# Altium PCB PCB_Project_Final.PcbDoc (continued)
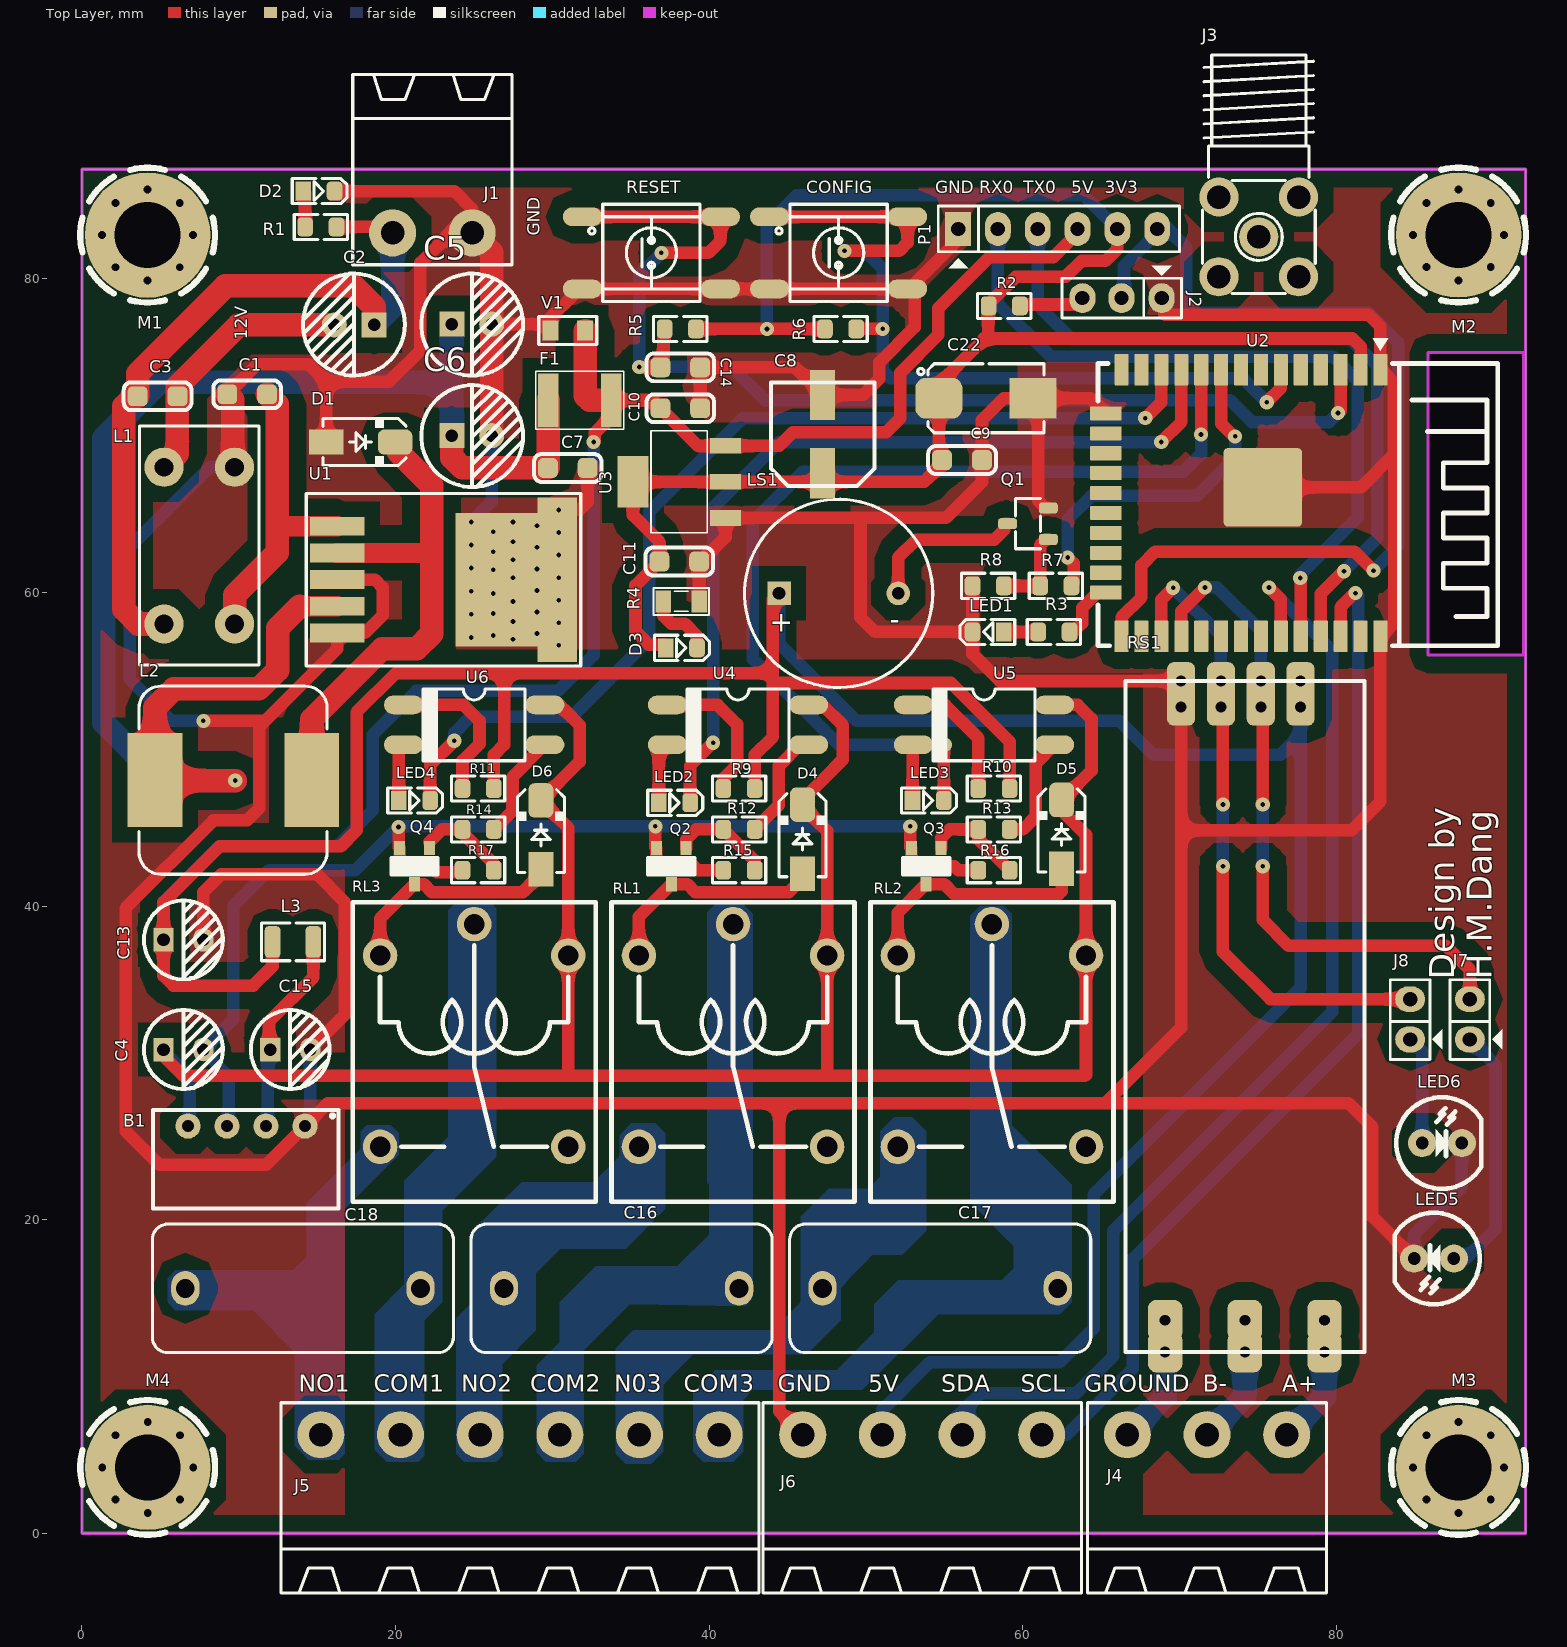
[diagram p0: Top Layer view]
## Footprints (in the part's own frame and the unit in brackets; to place one, negate y for a bottom-side part, rotate by r counter-clockwise, add the part's x,y. Pads: shape width x height; smd on the part's side, far side on the other; paste and mask are expansions set on the pad) (continued)
  rect 39.37x55 smd: 1(-45,0) 2(45,0)
  silkscreen extent -70,-34 70,33, body extent -39,-25 39,25, height 31
RL_10A_5V [mm] "Relay SRD-05VDC-SL-C, 5 pin, 10A,19.1X15.5"
  round 2.2 hole 1.3 mask+0.1: 1(-7.1,0) 2(7.1,6) 3(7.1,-6) 4(-5.1,-6) 5(-5.1,6)
  silkscreen extent -8.5,-7.75 10.6,7.75, body extent -8.39,-7.61 10.71,7.89, height 15.6
"RS485 - Version2" [mm]
  rrect50% 2.4x1.8 hole 0.7: 1(22.098,12.446) 1(23.749,12.446) 2(22.098,14.986) 2(23.749,14.986) 3(22.098,17.526) 3(23.749,17.526) 4(22.098,20.066) 4(23.749,20.066)
  rrect50% 2.6x2.2 hole 0.7: 5(62.865,21.59) 5(64.897,21.59) 6(62.865,16.51) 6(64.897,16.51) 7(62.865,11.43) 7(64.897,11.43)
  silkscreen extent 22.1,8.89 64.9,24.13, body extent 21.46,9.4 65.46,23.4, height 2.5
SCMH_M4 [mm] "SCREW mouting, M4, 4mm diameter and 8.0mm PanHead"
  round 8 / inner round 4.5 / far side round 8 hole 4.2 mask+0.1: 1(0,0)
  Top Layer pour cut-out: 0,4.5 -1.722,4.158 -3.182,3.182 -4.157,1.722 -4.5,0 -4.5,0 -4.157,-1.722 -3.182,-3.181 -1.722,-4.157 0,-4.499 0,-4.499 2.25,-3.896 3.897,-2.249 4.499,0 4.499,0 4.157,1.722 3.182,3.182 1.722,4.157 0,4.5
  Bottom Layer pour cut-out: 0,4.5 -1.722,4.158 -3.182,3.182 -4.157,1.722 -4.5,0 -4.5,0 -4.157,-1.722 -3.182,-3.181 -1.722,-4.157 0,-4.499 0,-4.499 2.25,-3.896 3.897,-2.249 4.499,0 4.499,0 4.157,1.722 3.182,3.182 1.722,4.157 0,4.5
  silkscreen extent -4.3,-4.3 4.3,4.3
SMA_RA [mm] "CONN, RF, COAX, SMA, RIGHT ANGLE THD"
  round 2.5 hole 1.5: 1(0,0) 2(-2.54,-2.54) 3(2.54,-2.54) 4(2.54,2.54) 5(-2.54,2.54)
  silkscreen extent -3.6,-3.6 3.6,11.6, body extent -3.5,-3.54 3.5,11.56, height 10.26
SOT23_3 [mm] "SOT-23, Micro3, MO-178, TO-236AB, MO-193C, SuperSOT3, SC-59, 1.5x3mm, Pitch 1.9mm"
  rrect50% 1.2x0.7 smd mask+0.1: 1(-1.3,1) 2(-1.3,-1) 3(1.3,0)
  silkscreen extent -0.8,-1.6 0.8,1.6, body extent -1.32,-1.5 1.32,1.5, height 1.08
SOT223-4M [mm] "SOT223, 4-Leads, Body 6.5x3.5mm, Pitch 2.3mm, Lead Span 7mm, IPC Low Density"
  rect 1x2 smd: 1(-2.3,-3.2) 2(0,-3.2) 3(2.3,-3.2)
  rect 3.3x2 smd: 4(0,2.7)
  silkscreen extent -3.25,-2.05 3.26,1.55, body extent -3.25,-3.74 3.25,3.22, height 1.67
SWPBS_SPDT_6X6X5 [mm] "SWITCH, PUSHBUTTON, SMD, SPDT, 6X6mm 4PIN"
  oval 2.5x1.2 smd mask+0.1: 1(-4.4,2.3) 2(-4.4,-2.3) 3(4.4,-2.3) 4(4.4,2.3)
  silkscreen extent -4,-3.1 3.1,3.1, body extent -5,-3 5,3, height 5.07
TO263-5 [mm] "LM2576-SMD"
  rect 1.2x3.5 smd: 1(-3.4,0.475) 2(-1.7,0.475) 3(0,0.475) 4(1.7,0.475) 5(3.4,0.475)
  rect 10.5x2.5 smd: 6(0,14.5)
  rect 8.5x6.5 smd: 6(0,11.25)
  silkscreen extent -5.5,-1.5 5.5,16, body extent -5,-0.38 5,15.29, height 4.79
trans_smd [mm] "SOT 23 _ 1-3-2"
  rect 0.7x0.9 smd: 1(-0.95,-1.15) 2(0.95,-1.15) 3(0,1.15)
  silkscreen extent -1.5,-0.55 1.5,0.55, body extent -1.5,-1.28 1.5,1.22, height 1.06
"tu hoa 5mm" [mm]
  rect 1.3x1.5 hole 0.8: 1(-1.27,0)
  oval 1.3x1.5 hole 0.8: 2(1.27,0)
  silkscreen extent -2.51,-2.51 2.51,2.51, body extent -3.12,-3.18 3.23,3.18, height 14.55
"tu hoa 6.5mm" [mm]
  rect 1.6x1.6 hole 0.8: 1(-1.295,0.025)
  round 1.6 hole 0.8: 2(1.245,0.025)
  silkscreen extent -3.25,-3.25 3.25,3.25, body extent -3.15,-3.15 3.2,3.2, height 14.55
"tu nhom 6.3 (d)" [mm]
  rect 3.2x1.6 smd: 1(-2.5,0) 2(2.5,0)
  silkscreen extent -3.3,-3.3 3.3,3.3, body extent -3.8,-3.3 3.8,3.3, height 8

## Part data
C1 C3 C7: library part CAP_SMD_0805, "CAP, MLCC, -F, -V, MATERIAL, -%, 0201", ASSEMBLY=ASSEMBLY, MANF=-, MANF_P#=MANF_PART#, PARAM="-, -%", PARAM2=-V, PRICE="100= 1$"
C2: library part "Tu Hoa 47uF 50V 6x11", "Cắm", Chung_Loai=Cắm, Don_Vi=Con, Ma_Hang=MH001360, So_Chan=2, Ten_Linh_Kien="Tụ Hóa 47uF 50V"
C4: library part "Tu Hoa 100uF 16V 5x7", "Cắm", Chung_Loai=Cắm, Don_Vi=Con, Ma_Hang=MH001347, So_Chan=2, Ten_Linh_Kien="Tụ Hóa 100uF 16V 5x7MM"
C5 C6: library part "Tu Hoa 100uF 35V 6x8", "Cắm", Chung_Loai=Cắm, Don_Vi=Con, Ma_Hang=MH006862, So_Chan=2, Ten_Linh_Kien="Tụ Hóa 100uF 35V"
C8: library part "Tu Nhom 100uF 16V", "Dán", Chung_Loai=Dán, Don_Vi=Con, Ma_Hang=MH002219, So_Chan=2, Ten_Linh_Kien="Tụ Nhôm 100uF 16V 6.3x5.4MM"
C9 C10 C11 C14: library part "Tu 0805 106 16V 10%", "Dán", Chung_Loai=Dán, Don_Vi=Con, Ma_Hang=MH004553, So_Chan=2, Ten_Linh_Kien="Tụ 0805 106-10uF 10% 16V"
C13 C15: library part "Tu Hoa 47uF 35V 5x11", "Cắm", Chung_Loai=Cắm, Don_Vi=Con, Ma_Hang=MH001354, So_Chan=2, Ten_Linh_Kien="Tụ Hóa 47uF 35V 5x11MM"
C16 C17 C18: library part CAP_THD_FILM_POLYESTER, "CAP, FILM,", ASSEMBLY=ASSEMBLY, DESC="CAP, FILM,", MANF=MANF, MANF_P#=MANF_PART#, PARAM2=400V, PRICE="100= 1$"
C22: library part CAP_SMD_TAN_7343, "CAP, SMD, TAN,", PARAM2=-V
CONFIG RESET: library part SWPBS_SPDT_6X6X5, "SWITCH, PUSH BUTTON, TACTILE, SMD, SPDT, 6X6X5mm", ASSEMBLY=ASSEMBLY, DESC=DESCRIPTION, MANF=-, MANF_P#=-, PARAM=PARAM, PRICE=PRICE
D1: library part DIODE_SMD_SCHOTTKY_1N5822, "DIODE, SCHOTTKY, 40V, 3A", ASSEMBLY=ASSEMBLY, DESC=DESCRIPTION, MANF=DIODES, MANF_P#=1N5822, PARAM=40V, PARAM2=3A, PRICE=PRICE
D2: library part LED_SMD_0805, "LED, SMD, 0805", ASSEMBLY=ASSEMBLY, DESC=DESCRIPTION, MANF=MANF, MANF_P#=MANF_PART#, PARAM2=2.2V, PRICE=PRICE
D3: library part LED_SMD_0805_BLU, "LED, SMD, 0805, BLUE", ASSEMBLY=ASSEMBLY, DESC=DESCRIPTION, MANF=MANF, MANF_P#=MANF_PART#, PARAM2=2.2V, PRICE=36t@Javan
D4 D5 D6: library part DIODE_SMD_1N4007, "DIODE, GENERAL PURPOSE, 1000V/1A", ASSEMBLY=ASSEMBLY, DESC=DESCRIPTION, MANF=Kingtronics, MANF_P#=M7, PARAM="1000V VRRM", PARAM2=1A, PRICE=PRICE
F1: library part FUSE_MF-MSMF200-2, "PTC RESET FUSE 8V 2A 1812", Case Code (Imperial)=1812, Case Code (Metric)=4532, Current Rating=40A, Hold Current=2A, Manufacturer=Bourns, Manufacturer Part Number=MF-MSMF200-2, Max Operating Temperature=85°C, Max Power Dissipation=800mW, Min Operating Temperature=-40°C, Operating Supply Voltage=8V, Package Quantity=2000, Resistance=80mR, Supplier Part Number 1=MF-MSMF200-2CT-ND, Trip Current=4A, Aging="1000 hr @ +85 °C (Passive)", Approvals=UL,CSA,TUV, Case/Package=1812, Category=Fuses, ComponentLink1Description=https://datasheet.ciiva.com/326/mfmsmf-326966.pdf?src-supplier=Digi-Key, ComponentLink1URL=https://datasheet.ciiva.com/326/mfmsmf-326966.pdf?src-supplier=Digi-Key, ComponentLink2Description=https://datasheet.ciiva.com/326/mfmsmf-326967.pdf?src-supplier=Digi-Key, ComponentLink2URL=https://datasheet.ciiva.com/326/mfmsmf-326967.pdf?src-supplier=Digi-Key, ComponentLink3Description=https://datasheet.ciiva.com/1274/1786007-1274556.pdf?src-supplier=Element14, ComponentLink3URL=https://datasheet.ciiva.com/1274/1786007-1274556.pdf?src-supplier=Element14, ComponentLink4Description=https://datasheet.ciiva.com/1228/1786007-1228163.pdf?src-supplier=Newark, ComponentLink4URL=https://datasheet.ciiva.com/1228/1786007-1228163.pdf?src-supplier=Newark, ComponentLink5Description=https://datasheet.ciiva.com/3020/mfmsmf-3020419.pdf?src-supplier=Avnet, ComponentLink5URL=https://datasheet.ciiva.com/3020/mfmsmf-3020419.pdf?src-supplier=Avnet, ComponentLink6Description=https://datasheet.ciiva.com/326/mfmsmf-326968.pdf?src-supplier=Digi-Key, ComponentLink6URL=https://datasheet.ciiva.com/326/mfmsmf-326968.pdf?src-supplier=Digi-Key, ComponentLink7Description=https://datasheet.ciiva.com/16692/mfmsmf-16692201.pdf?src-supplier=Avnet+Europe, ComponentLink7URL=https://datasheet.ciiva.com/16692/mfmsmf-16692201.pdf?src-supplier=Avnet+Europe, ComponentLink8Description=https://datasheet.ciiva.com/3019/mfmsmf-3019786.pdf?src-supplier=Avnet, ComponentLink8URL=https://datasheet.ciiva.com/3019/mfmsmf-3019786.pdf?src-supplier=Avnet, ComponentLink9Description=https://datasheet.ciiva.com/28411/1786007-28411578.pdf?src-supplier=Element14, ComponentLink9URL=https://datasheet.ciiva.com/28411/1786007-28411578.pdf?src-supplier=Element14, ComponentLink10Description=https://datasheet.ciiva.com/15187/getdatasheetpartid-117210-15187148.pdf?src-supplier=Verical, ComponentLink10URL=https://datasheet.ciiva.com/15187/getdatasheetpartid-117210-15187148.pdf?src-supplier=Verical, ComponentLink11Description=https://datasheet.ciiva.com/1274/1786007-1274557.pdf?src-supplier=Element14, ComponentLink11URL=https://datasheet.ciiva.com/1274/1786007-1274557.pdf?src-supplier=Element14, ComponentLink12Description=https://datasheet.ciiva.com/30196/575mfmsmf-30196429.pdf?src-supplier=Onlinecomponents.com, ComponentLink12URL=https://datasheet.ciiva.com/30196/575mfmsmf-30196429.pdf?src-supplier=Onlinecomponents.com, Height=0.85mm, Lead Free="Lead Free", Length=4.73mm, Max Current Rating=40A, Mount="PCB,Surface Mount", Number of Pins=2, Number of Terminals/Pins=2, Packaging="Tape and Reel", Power Dissipation=800mW, Pricing 1="1=0.67000, 5=0.65000, 10=0.63000, 50=0.53000, 100=0.44000, 250=0.40000, 500=0.33998, 1000=0.29998 (USD)", Radiation Hardening=No, REACH SVHC="No SVHC", RoHS=Yes, RoHS Compliant=Yes, Series=MF-MSMF, Stock 1=15085, Supplier 1=Digi-Key, Terminal Material=Gold, Termination=SMD/SMT, Time to Trip=3s, Voltage Rating=8V, Voltage Rating (DC)=8V, Width=3.41mm
J1: library part CONN_MSTB_2, "CONN, PHOENIX MSTB, 5-G, 5.08mm pitch"
J2: library part JP3
J3: library part CONN_RF_SMA_RA, "CONN, RF, SMA, Right Angle", ASSEMBLY=ASSEMBLY, DESC=DESCRIPTION, DIST#=DIGIKEY, MANF=Samtec, MANF_P#=SMA-J-P-H-RA-TH1, PARAM="50Ohm, 20GHz", PARAM2=GOLD, PRICE=6.3$
J4: library part CONN_MSTB_3, "CONN, PHOENIX MSTB, 5-G, 5.08mm pitch"
J5: library part CONN_MSTB_6, "CONN, PHOENIX MSTB, 5-G, 5.08mm pitch"
J6: library part CONN_MSTB_4, "CONN, PHOENIX MSTB, 5-G, 5.08mm pitch"
J7 J8: library part "JP 2"
L1: library part IND_FL2D-10-472, "4.7uH, 1A"
L2: library part L_BODY_13.5X12.5, "L_BODY_13.5X12.5"
L3: library part IND_SMD_6.8uH_1.6A_1008, "INDUCTOR, 6.8uH, 1.6A, 440mOhm, 1008", ASSEMBLY=ASSEMBLY, MANF=TDK, MANF_P#=VLS252012HBU-6R8M, PARAM="1.6A (Isat)", PARAM2="440mOhm, -40~105oC", PRICE=0.6$
LED1 LED2 LED3 LED4: library part "LED SMD"
LED5 LED6: library part LED_RED_3MM, "LED Red 3mm/5MM", ComponentLink1Description=Datasheet, ComponentLink1URL="D:\Dropbox\Datasheets\Opto and Illumination\LEDs\SMD LED.pdf", Unit Price=0.0476
LS1: "Magnetic Transducer Buzzer", ComponentLink1Description="Manufacturer Link", ComponentLink1URL=http://www.megastar.com/linecard/buzzmode/index.php, DatasheetDocument=17-Dec-2003, LatestRevisionDate=17-Dec-2003, LatestRevisionNote="Schematic revised, PCB Footprint replaced.", PackageReference=ABSM-1574, Published=24-Mar-1999, Publisher="Altium Limited"
M1 M2 M3 M4: library part SCMH_M4, "SCREW mouting, M4, 4mm diameter and 8.0mm PanHead", ASSEMBLY=DNP
P1: "Header, 6-Pin", LatestRevisionDate=17-Jul-2002, LatestRevisionNote="Re-released for DXP Platform.", Publisher="Altium Limited"
Q1: library part NPN_C1815_SOT23, "BJT, NPN, 50v, 0.15A, SMD, SOT23", MANF=-, MANF_P#=C1815, PARAM="50v, 0.15A", PARAM2=250mW
Q2 Q3 Q4: "NPN General Purpose Amplifier", Code_JEDEC=TO-92A, ComponentLink1Description="Manufacturer Link", ComponentLink1URL=http://www.fairchildsemi.com/, ComponentLink2Description=Datasheet, ComponentLink2URL=http://www.fairchildsemi.com/ds/2N%2F2N3904.pdf, DatasheetVersion=1997, LatestRevisionDate=15-Jan-2003, LatestRevisionNote="PCB Footprint 'BCY-W3/D4.7' replaced", PackageReference=TO-92A, PackageVersion=Sep-1998, Published=8-Jun-2000, Publisher="Altium Limited"
R1: library part RES_SMD_0805, "RESISTOR, SMD, SENS, 0.01Ohm, 0.5W", ASSEMBLY=ASSEMBLY, DESC=DESCRIPTION, DIST#=MOUSER, MANF=VISHAY, MANF_P#=WSLP0805R0100FEA, PARAM="0.5W, -55~155oC", PARAM2=1%, PRICE=0.5$
R2 R3 R5 R6 R7 R8 R9 R10 R11 R12 R13 R14 R15 R16 R17: library part RES_SMD_0805, "RESISTOR, SMD", ASSEMBLY=ASSEMBLY, DESC=DESCRIPTION, DIST#=MOUSER, MANF=-, MANF_P#=-, PARAM=-W, PARAM2=1%, PRICE="100= 0.5$"
R4: library part "Tro 0805 5% 1.8k", "Dán", Chung_Loai=Dán, Don_Vi=Con, Ma_Hang=MH005233, So_Chan=2, Ten_Linh_Kien="Trở 0805 5% 1.8k"
RL1 RL2 RL3: library part "Relay 5V10A", "Relay SPDT,10A - 12VDC 5 Pin"
U1 U3: "1A Regulator"
U4 U5 U6: library part PC817_1, "Single Opto"
V1: library part VARISTOR_VC080505A150RP, "VARISTOR 8.5V 40A 0805", Capacitance=1.1nF, Case Code (Imperial)=0805, Case Code (Metric)=2012, Clamping Current=1A, Clamping Voltage=18V, Current Rating=1mA, Manufacturer="Kyocera AVX", Manufacturer Part Number=VC080505A150RP, Max Operating Temperature=125°C, Max Output Current=40A, Max Varistor Voltage=10.2V, Max Voltage Rating (AC)=4V, Max Voltage Rating (DC)=5.6V, Min Operating Temperature=-55°C, Min Varistor Voltage=6.8V, Package Quantity=4000, Supplier Part Number 1=478-11137-2-ND, Varistor Voltage=8.5V, Voltage Tolerance=20%, Case/Package=0805, Category=Varistors, ComponentLink1Description=https://datasheet.ciiva.com/34302/1155151-34302026.pdf?src-supplier=Jameco, ComponentLink1URL=https://datasheet.ciiva.com/34302/1155151-34302026.pdf?src-supplier=Jameco, ComponentLink2Description=https://datasheet.ciiva.com/3024/tguard-3024149.pdf?src-supplier=Avnet, ComponentLink2URL=https://datasheet.ciiva.com/3024/tguard-3024149.pdf?src-supplier=Avnet, ComponentLink3Description=https://datasheet.ciiva.com/7971/tguard-7971624.pdf?src-supplier=Element14, ComponentLink3URL=https://datasheet.ciiva.com/7971/tguard-7971624.pdf?src-supplier=Element14, ComponentLink4Description=https://datasheet.ciiva.com/369/tguard-369629.pdf?src-supplier=Digi-Key, ComponentLink4URL=https://datasheet.ciiva.com/369/tguard-369629.pdf?src-supplier=Digi-Key, Contact Plating=Tin,Matte, Depth=1.25mm, Energy=0.1J, ESD Protection=Yes, Lead Free="Lead Free", Length=2.01mm, Material=Ceramic, Max Surge Current=40A, Mount="Surface Mount", Number of Circuits=1, Number of Terminals/Pins=2, Operating Supply Voltage=5.6V, Packaging="Tape and Reel", Pricing 1="4000=0.11550, 8000=0.10850, 12000=0.10150, 28000=0.09310 (USD)", REACH SVHC="No SVHC", RoHS=Yes, RoHS Compliant=Yes, Supplier 1=Digi-Key, Termination=SMD/SMT, Voltage Rating=5.6V, Voltage Rating (AC)=4V, Voltage Rating (DC)=5.6V, Width=1.25mm

## Free pads (board coordinates)
  round 0.9 hole 0.3: 2(30.418,65.265) 3(30.418,63.825) 4(30.418,62.386) 5(30.418,60.947) 6(30.418,59.507) 7(30.418,58.068) 8(30.418,56.629) 9(29.021,64.249) 10(29.021,62.877) 11(29.021,61.506) 12(29.021,60.134) 13(29.021,58.762) 14(29.021,57.391) 15(27.497,58.153) 16(27.497,59.423) 17(27.497,60.947) 18(27.497,62.09) 19(27.497,63.233) 20(26.227,63.868) 21(26.227,62.598) 22(26.227,61.455) 23(26.227,59.931) 24(26.227,58.661) 25(26.227,57.264) 26(24.83,63.03) 27(24.83,61.556) 28(24.83,60.083) 29(24.83,58.61) 30(24.83,64.503) 31(27.497,64.503) 32(27.497,57.01) 33(24.83,57.137)

## Via types
v1: diameter 0.8, hole 0.5, Top Layer to Bottom Layer, tented both sides, 32 vias
v2: diameter 0.9, hole 0.3, Top Layer to Bottom Layer, tented both sides, 32 vias

## Nets (pads, with @x,y where several pads share a name; then routed paths per layer and width w, separated by ;. In a path a pad name is that pad's centre, name@x,y a point inside that pad or via, vN(x,y) a via of type N, cw(c..) or ccw(c..) an arc to the next point about the centre after c; other vN are vias at no path point)
3V3: C8.1 C9.1 C11.1 C22.1 D3.1 P1.5 R2.2 R5.1 R6.1 U2.2 U3.2 U3.4 | length 121.1
  Top Layer w0.8: D3.1 37.227,56.571 37.127,56.671 36.166,56.671 35.306,57.531 35.306,60.452 C11.1 36.83,63.246 35.146,64.93 U3.4 U3.2 46.696,67.056 C8.1 47.792,67.056 53.721,67.056 54.658,67.993 C9.1@54.658,68.453 ; R5.1 v2(43.688,76.808) R6.1 ; C9.1 C9.1@54.658,68.453 ; 57.531,76.2 57.553,76.2 ; P1.5 66.04,81.915 65.278,81.153 63.754,81.153 62.738,80.137 59.563,80.137 57.826,78.4 R2.2 57.801,78.255 57.801,76.448 57.553,76.2 ; U2.2 81.546,75.68 81.026,76.2 80.001,76.2 57.553,76.2 ; C9.1@54.658,68.453 C22.1 54.658,73.305 57.553,76.2
  Bottom Layer w0.8: v2(43.688,76.808) 43.688,83.439 45.593,85.344 63.881,85.344 P1.5
5V: C10.1 C13.1 F1.2 J6.3 L3.1 LS1.1 P1.4 R9.2 R10.2 R11.2 RS1.4 U3.3 V1.1 | length 308.9
  Top Layer w0.8: L3.1 12.162,36.165 10.922,34.925 5.842,34.925 5.207,35.56 C13.1 5.207,40.236 8.786,43.815 16.51,43.815 17.526,44.831 17.526,52.367 20.023,54.864 26.924,54.864 ; R11.2 26.273,49.641 26.924,50.292 26.924,54.864 ; v2(32.639,69.596) 32.716,69.673 32.716,70.179 33.75,71.213 F1.2 36.382,72.263 C10.1 39.289,69.356 U3.3 44.464,69.356 45.339,70.231 51.308,70.231 52.197,71.12 52.197,74.015 54.61,76.428 54.61,78.128 57.868,81.386 61.955,81.386 63.5,82.931 P1.4 ; R9.2 42.91,49.641 44.069,50.8 44.069,54.864 ; 44.069,54.228 55.423,54.228 59.166,50.485 59.166,49.133 R10.2 ; LS1.1 44.069,59.553 44.069,54.864 ; 26.924,54.864 44.069,54.864
  Top Layer w1.5: V1.1 32.088,72.56 32.385,72.263 F1.2
  Bottom Layer w0.8: C13.1 5.207,40.273 8.749,43.815 16.256,43.815 18.542,46.101 18.542,50.927 21.336,53.721 30.353,53.721 32.639,56.007 v2(32.639,69.596) ; LS1.1 44.46,56.759 49.403,51.816 66.167,51.816 68.326,49.657 76.454,49.657 77.724,50.927 ; J6.3 51.054,7.879 54.097,10.922 62.377,10.922 64.519,13.064 64.519,21.593 77.724,34.798 77.724,50.927 ; RS1.4@77.724,54.356 77.724,52.705 77.724,50.927
"5V ISOLATE": B1.4 C4.1 D4.2 D5.2 D6.2 RL1.5 RL2.5 RL3.5 U4.4 U5.4 U6.4 | length 146
  Top Layer w0.8: C4.1 5.207,30.442 6.477,29.172 31.019,29.172 ; U6.4 30.461,52.832 31.75,51.543 31.75,49.218 D6.2 31.019,44.99 RL3.5 31.019,29.172 ; U4.4 47.23,52.832 48.525,51.538 48.525,49.337 47.37,48.182 45.962,46.774 45.962,46.368 47.529,44.801 RL1.5 47.529,29.172 ; U5.4 63.5,52.832 64.389,51.943 64.389,48.641 62.525,46.777 D5.2 62.484,46.101 64.039,44.546 RL2.5 64.039,29.241 63.97,29.172 47.529,29.172 ; 31.019,29.172 47.529,29.172
  Bottom Layer w0.8: C4.1 5.207,30.752 6.879,29.08 6.879,26.085 B1.4
+12V: C2.1 C3.2 J1.1 L1.2 R1.2 | length 47.7
  Top Layer w0.8: R1.2 19.431,83.312 J1.1
  Top Layer w1.5: L1.2 3.603,57.992 2.667,58.928 2.667,71.884 3.3,72.517 C3.2 3.556,73.956 9.153,79.553 17.318,79.553 18.638,78.233 C2.1
  Bottom Layer w1.5: C2.1 19.812,78.236 J1.1
A+: J4.1 RS1.5 | length 6.3
  Bottom Layer w1.5: J4.1 79.248,8.709 RS1.5@79.248,11.557
B-: J4.2 RS1.6 | length 8.3
  Bottom Layer w1.5: J4.2 74.168,8.709 74.168,11.557 RS1.6@74.168,13.589
buzzer: R7.2 U2.9 | length 22.8
  Top Layer w0.8: v2(62.865,62.23) 63.246,61.849 63.246,60.654 63.116,60.524 R7.2 ; U2.9 72.656,70.774 73.511,69.919 v2(73.548,69.956)
  Bottom Layer w0.8: v2(62.865,62.23) 62.865,64.643 64.389,66.167 71.12,66.167 73.548,68.595 73.548,69.882 v2(73.548,69.956)
COM1: C18.1 J5.5 RL3.1 | length 34.5
  Bottom Layer w1.5: J5.5 20.554,6.53 20.554,14.578 C18.1 21.597,21.47 25.019,24.892 RL3.1
COM2: C16.1 J5.3 RL1.1 | length 31
  Bottom Layer w1.5: 34.29,15.621 C16.1 41.917,38.462 RL1.1
COM3: C17.1 J5.1 RL2.1
CONFIG: CONFIG.1 CONFIG.4 R6.2 U2.6 | length 53.6
  Top Layer w0.8: CONFIG.1 CONFIG.4 52.66,82.309 52.139,81.788 v2(48.641,81.788) ; R6.2 51.065,76.808 v2(51.069,76.812) ; v2(75.565,72.136) 76.466,73.037 U2.6
  Bottom Layer w0.8: v2(48.641,81.788) 49.956,81.788 51.069,80.675 v2(51.069,76.812) 51.069,74.153 51.562,73.66 74.041,73.66 v2(75.565,72.136)
ERST: C14.1 R5.2 RESET.1 RESET.4 U2.3 | length 75.3
  Top Layer w0.8: RESET.1 RESET.4 40.722,82.422 39.961,81.661 v2(36.957,81.661) ; v2(35.545,74.383) 35.567,74.362 C14.1 37.086,74.555 37.086,76.731 R5.2 ; v2(80.113,71.445) 80.276,71.608 U2.3
  Bottom Layer w0.8: v2(36.957,81.661) 35.545,80.249 v2(35.545,74.383) 41.441,74.383 43.561,72.263 67.335,72.263 67.342,72.27 68.294,72.27 68.301,72.263 73.219,72.263 74.616,70.866 79.534,70.866 v2(80.113,71.445)
GND: B1.1 C1.1 C5.2 C6.2 C7.1 C8.2 C9.2 C10.2 C11.2 C13.2 C14.2 C15.2 C22.2 CONFIG.2 CONFIG.3 D1.1 D2.2 J1.2 J2.1 J6.4 L1.4 LED1.2 LED5.2 LED6.2 P1.1 pad.2 pad.3 pad.4 pad.5 pad.6 pad.7 pad.8 pad.9 pad.10 pad.11 pad.12 pad.13 pad.14 pad.15 pad.16 pad.17 pad.18 pad.19 pad.20 pad.21 pad.22 pad.23 pad.24 pad.25 pad.26 pad.27 pad.28 pad.29 pad.30 pad.31 pad.32 pad.33 Q1.2 R4.2 R8.2 RESET.2 RESET.3 RS1.1 U1.3 U1.5 U1.6 U2.1 U2.15 U2.38 U2.39 U3.1 V1.2 | length 523.8
  Top Layer w0.8: C13.2 7.747,40.894 8.89,42.037 14.986,42.037 16.764,40.259 16.764,33.058 C15.2 ; v2(7.747,51.816) 11.684,51.816 ; C1.1 11.176,74.549 14.478,74.549 15.58,73.447 ; D1.1 15.58,73.447 ; D2.2 23.749,85.598 24.892,84.455 J1.2 23.495,82.931 21.59,81.026 21.59,75.438 19.599,73.447 15.58,73.447 ; U1.3 18.682,60.82 19.177,60.325 19.177,58.547 18.05,57.42 U1.5 16.287,56.419 11.684,51.816 ; C5.2 29.482,77.114 31.728,79.361 RESET.2 RESET.3 CONFIG.2 CONFIG.3 ; pad.2 31.737,65.265 32.258,65.786 C7.1 ; R4.2 39.37,61.849 41.046,63.525 U3.1 49.53,64.756 ; C10.2 C14.2 45.486,74.362 C8.2 49.83,72.604 50.865,73.639 50.865,74.675 53.114,76.924 53.114,78.907 CONFIG.3 ; J6.4 44.477,7.793 44.477,27.432 ; P1.1 55.88,82.487 52.754,79.361 CONFIG.3 ; R8.2 LED1.2 ; Q1.2 61.459,65.388 60.99,65.857 60.99,72.058 C22.2 ; U2.15 64.337,72.39 C22.2 ; J2.1 69.027,78.614 69.027,77.785 69.088,77.724 82.042,77.724 82.816,76.95 U2.1 83.678,73.344 83.678,68.819 81.565,66.706 U2.39 ; RS1.1@70.104,52.705 70.104,44.829 ; RS1.1@70.104,54.356 58.547,54.356 56.798,56.105 LED1.2 ; 83.693,68.819 83.693,58.083 U2.38 82.816,46.686 80.959,44.829 70.104,44.829 ; LED5.2 82.296,20.193 82.296,25.908 80.772,27.432 65.278,27.432 ; 11.684,51.816 11.303,51.435 11.303,46.228 10.541,45.466 8.382,45.466 2.794,39.878 2.794,25.654 4.953,23.495 11.749,23.495 B1.1 15.686,27.432 44.477,27.432 ; 44.477,27.432 65.278,27.432 ; 49.53,64.756 55.104,64.756 57.404,67.056 C9.2 57.404,70.993 58.801,72.39 C22.2 ; 49.53,64.756 49.657,64.629 49.657,58.42 50.591,57.486 LED1.2 ; 65.278,27.432 70.104,32.258 70.104,44.829
  Top Layer w1.5: C1.1 9.615,72.3 9.615,68.12 L1.4 ; U1.6@24.83,61.074 26.809,61.074 27.063,60.82 U1.6@25.398,62.484 ; J1.2 26.137,81.686 C5.2 C6.2
  Bottom Layer w0.8: v2(7.747,51.816) 5.715,51.816 3.048,54.483 3.048,62.865 8.175,67.992 L1.4 ; B1.1 14.558,26.305 C15.2 C15.2@14.478,30.933 ; pad.30 26.137,65.81 C6.2 ; LED5.2 84.963,19.05 88.011,22.098 LED6.2
"GND ISOLATE": B1.3 C4.2 Q2.2 Q3.2 Q4.2 R15.1 R16.1 R17.1 | length 80.9
  Top Layer w0.8: v2(20.199,45.048) 20.199,43.755 Q4.2 20.259,42.86 20.574,42.545 22.249,42.545 22.627,42.167 24.149,42.167 R17.1 ; v2(36.576,45.085) 36.576,43.761 Q2.2 36.642,42.574 37.874,42.574 37.902,42.545 39.021,42.545 39.275,42.291 R15.1 ; v2(52.832,45.085) 52.832,43.761 Q3.2 52.898,43.114 53.467,42.545 55.626,42.545 55.88,42.291 R16.1
  Bottom Layer w0.8: B1.3 9.366,26.085 9.366,28.988 9.265,29.089 9.265,29.234 7.747,30.752 C4.2 9.652,32.757 9.652,40.005 11.938,42.291 17.441,42.291 v2(20.199,45.048) 20.235,45.085 v2(36.576,45.085) v2(52.832,45.085)
GPIO0: J2.2 P1.6 U2.25 | length 61.9
  Top Layer w0.8: U2.25 66.306,58.432 67.564,59.69 67.564,61.722 68.453,62.611 81.153,62.611 v2(82.368,61.396)
  Bottom Layer w0.8: J2.2@66.298,78.904 J2.2 66.461,78.94 66.461,80.812 68.58,82.931 P1.6 69.264,83.185 70.434,82.015 70.434,78.275 70.858,77.851 82.042,77.851 83.942,75.951 83.942,62.969 v2(82.368,61.396)
GROUND: J4.3 RS1.7 | length 8.3
  Bottom Layer w1.5: J4.3 69.088,8.709 69.088,11.557 RS1.7@69.088,13.589
NetB1_2: B1.2 C15.1 L3.2 | length 13.1
  Top Layer w0.8: C15.1 11.938,30.933 11.938,32.639 14.762,35.463 L3.2
  Bottom Layer w0.8: B1.2 11.852,26.085 11.852,30.686 C15.1
NetC1_2: C1.2 L1.3 U1.1 | length 19.9
  Top Layer w1.3: 12.531,64.22 U1.1
  Top Layer w1.5: L1.3 9.743,59.839 12.446,62.542 12.446,64.135 ; C1.2 12.446,72.009 12.446,64.135 ; 12.531,64.22 12.446,64.135
NetC2_2: C2.2 C3.1 L1.1 | length 17.1
  Top Layer w1.5: L1.1 6.096,68.845 C3.1 6.096,73.15 10.01,77.064 16.097,77.064 C2.2
NetC5_1: C5.1 C6.1 C7.2 F1.1 L2.2 U1.4 | length 96.6
  Top Layer w1.3: 13.881,59.12 U1.4
  Top Layer w1.5: v2(9.779,48.006) 4.688,48.006 L2.2 4.663,52.658 5.853,53.848 11.283,53.848 12.49,55.055 12.49,57.729 13.881,59.12 ; C6.1 23.597,68.605 24.257,67.945 C7.2 29.75,67.977 F1.1
  Bottom Layer w1.5: v2(9.779,48.006) 5.08,48.006 1.394,51.692 1.394,69.847 4.953,73.406 23.597,73.406 ; C6.1 23.597,73.406 ; C5.1 23.597,73.406
NetD1_2: D1.2 L2.1 U1.2 | length 33.1
  Top Layer w1.3: U1.2 22.27,62.52 22.306,62.484
  Top Layer w1.5: L2.1 14.663,51.921 19.154,56.411 21.359,56.411 22.306,57.358 22.306,62.484 22.306,66.841 20.183,68.964 20.183,69.546 20.133,69.596 D1.2
NetD2_1: D2.1 R1.1 | length 2.3
  Top Layer w0.8: D2.1 14.24,85.471 R1.1
NetD3_2: D3.2 R4.1 | length 4.4
  Top Layer w0.8: R4.1 37.084,58.515 37.592,58.007 38.459,58.007 39.227,57.239 D3.2
NetD4_1: D4.1 Q2.3 RL1.4 | length 14.6
  Top Layer w0.8: RL1.4 35.529,39.332 Q2.3 38.615,41.395 39.116,40.894 45.082,40.894 45.962,41.774 D4.1
NetD5_1: D5.1 Q3.3 RL2.4 | length 15.7
  Top Layer w0.8: RL2.4 52.039,39.586 Q3.3 54.998,41.395 55.626,40.767 62.289,40.767 62.484,40.962 D5.1
NetD6_1: D6.1 Q4.3 RL3.4 | length 14.5
  Top Layer w0.8: RL3.4 19.019,39.205 Q4.3 21.806,41.395 22.307,40.894 28.126,40.894 29.271,42.039 D6.1
NetJ2_3: J2.3 R2.1 | length 4.2
  Top Layer w0.8: R2.1 59.826,78.368 63.401,78.368 J2.3
NetJ7_1: J7.1 LED5.1 | length 16.2
  Bottom Layer w0.8: LED5.1 88.265,17.526 90.17,19.431 90.17,29.845 J7.1
NetJ8_1: J8.1 LED6.1 | length 6.9
  Bottom Layer w0.8: J8.1 85.471,30.734 LED6.1
NetLED1_1: LED1.1 R3.1 | length 2.2
  Top Layer w0.8: LED1.1 R3.1
NetLED2_1: LED2.1 U4.2 | length 4.1
  Top Layer w0.8: LED2.1 36.792,50.107 36.977,50.292 U4.2
NetLED3_1: LED3.1 U5.2 | length 3.6
  Top Layer w0.8: LED3.1 52.975,50.236 U5.2
NetLED4_1: LED4.1 U6.2 | length 3.7
  Top Layer w0.8: LED4.1 20.209,49.982 U6.2
NetLS1_2: LS1.2 Q1.3 | length 10.3
  Top Layer w0.8: LS1.2 52.06,62.22 53.213,63.373 58.193,63.373 58.838,64.019 58.838,64.338 58.888,64.388 Q1.3
NetQ1_1: Q1.1 R7.1 R8.1 | length 5.6
  Top Layer w0.8: R8.1 R7.1 61.116,63.016 61.488,63.388 Q1.1
NetQ2_1: Q2.1 R12.1 R15.2 | length 6.6
  Top Layer w0.8: Q2.1 38.542,44.257 39.179,44.895 R12.1 40.932,44.894 42.91,42.917 R15.2
NetQ3_1: Q3.1 R13.1 R16.2 | length 6.7
  Top Layer w0.8: Q3.1 54.798,44.355 55.337,44.895 R13.1 57.166,44.291 R16.2
NetQ4_1: Q4.1 R14.1 R17.2 | length 5.8
  Top Layer w0.8: Q4.1@22.159,44.076 22.978,44.895 24.066,44.895 26.273,42.688 R17.2
NetR3_2: R3.2 U2.24 | length 3.9
  Top Layer w0.8: R3.2 63.22,57.486 63.786,58.051 63.786,59.021 64.756,59.991 U2.24
NetR9_1: R9.1 U4.1 | length 9.4
  Top Layer w0.8: U4.1 40.541,52.832 41.783,51.59 41.783,48.998 40.91,48.125 R9.1
NetR10_1: R10.1 U5.1 | length 8.2
  Top Layer w0.8: U5.1 55.052,52.832 57.166,50.718 57.166,48.852 R10.1
NetR11_1: R11.1 U6.1 | length 10
  Top Layer w0.8: U6.1 24.342,52.832 25.358,51.816 25.358,50.353 24.273,49.268 R11.1
NetR12_2: R12.2 U4.3 | length 7.1
  Top Layer w0.8: R12.2 44.45,46.434 44.45,47.951 44.451,48.941 45.802,50.292 U4.3
NetR13_2: R13.2 U5.3 | length 7.1
  Top Layer w0.8: R13.2 60.008,44.895 60.833,45.72 60.833,49.094 U5.3
NetR14_2: R14.2 U6.3 | length 6.7
  Top Layer w0.8: R14.2 27.456,46.077 27.456,46.737 27.473,46.754 27.473,48.242 27.471,48.244 U6.3
NO1: C18.2 J5.6 RL3.3 | length 28.6
  Bottom Layer w1.5: C18.2 6.724,15.748 15.24,15.748 ; J5.6 15.24,15.748 ; RL3.3 15.24,20.871 15.24,15.748
NO2: C16.2 J5.4 RL1.3 | length 22.5
  Bottom Layer w1.5: J5.4 25.4,14.104 C16.2 35.529,24.233 RL1.3
NO3: C17.2 J5.2 RL2.3 | length 18
  Bottom Layer w1.5: J5.2 35.56,9.017 38.608,12.065 ; C17.2 52.039,20.423 RL2.3
RL1: LED4.2 U2.12 | length 65.6
  Top Layer w0.8: LED4.2 22.209,49.006 v2(23.749,50.546) ; v2(67.818,71.12) 68.846,72.148 U2.12
  Bottom Layer w0.8: v2(23.749,50.546) 23.749,51.054 24.765,52.07 31.242,52.07 36.195,57.023 36.195,65.151 42.164,71.12 v2(67.818,71.12)
RL2: LED2.2 U2.11 | length 54.9
  Top Layer w0.8: LED2.2 38.792,48.952 v2(40.259,50.419) ; v2(68.834,69.596) 70.116,70.878 U2.11
  Bottom Layer w0.8: v2(40.259,50.419) 40.259,65.405 44.45,69.596 v2(68.834,69.596)
RL3: LED3.2 U2.10 | length 62.6
  Top Layer w0.8: LED3.2 54.975,49.748 54.981,49.754 54.981,50.271 55.002,50.292 v2(55.031,50.292) ; v2(71.374,70.08) 71.386,70.092 U2.10
  Bottom Layer w0.8: v2(55.031,50.292) 55.002,50.292 48.26,50.292 42.799,55.753 42.799,64.516 45.974,67.691 70.231,67.691 71.374,68.834 v2(71.374,70.08)
RX0: P1.2 U2.34 | length 47.6
  Top Layer w0.8: v2(77.699,60.928) 77.736,60.891 U2.34
  Bottom Layer w0.8: P1.2 58.42,78.408 61.792,75.035 79.817,75.035 81.38,73.472 81.38,64.81 77.699,61.129 v2(77.699,60.928)
RX2: J8.2 RS1.2 U2.27 | length 39.5
  Top Layer w0.8: U2.27 68.846,59.548 v2(69.598,60.3) ; RS1.2@72.644,52.705 72.771,52.578 v2(72.771,46.482) ; v2(72.771,42.545) 72.771,37.084 75.794,34.061 J8.2
  Bottom Layer w0.8: v2(69.598,60.3) 72.644,57.255 RS1.2@72.644,54.356 ; v2(72.771,42.545) v2(72.771,46.482)
SCL: J6.1 U2.36 | length 66.2
  Top Layer w0.8: U2.36 80.276,59.067 81.17,59.961 v2(81.227,59.961)
  Bottom Layer w0.8: J6.1 62.811,6.296 67.025,10.51 67.025,17.495 81.407,31.877 81.407,59.781 v2(81.227,59.961)
SDA: J6.2 U2.33 | length 72.5
  Top Layer w0.8: v2(75.711,60.319) 76.466,59.564 U2.33
  Bottom Layer w0.8: J6.2 56.134,7.747 57.313,8.926 63.409,8.926 65.786,11.303 65.786,19.304 79.756,33.274 79.756,56.274 v2(75.711,60.319)
TX0: P1.3 U2.35 | length 46.9
  Top Layer w0.8: U2.35 79.006,59.907 80.457,61.358 v2(80.492,61.358)
  Bottom Layer w0.8: P1.3 60.96,78.337 63.154,76.143 80.918,76.143 82.618,74.444 82.618,63.483 v2(80.492,61.358)
TX2: J7.2 RS1.3 U2.28 | length 41.7
  Top Layer w0.8: U2.28 70.116,58.813 v2(71.628,60.325) ; RS1.3@75.184,52.705 75.311,52.578 v2(75.311,46.482) ; v2(75.311,42.545) 75.311,39.116 76.962,37.465 86.995,37.465 88.519,35.941 J7.2
  Bottom Layer w0.8: v2(71.628,60.325) 72.39,60.325 75.184,57.531 RS1.3@75.184,54.356 ; v2(75.311,42.545) v2(75.311,46.482)
pads on no net: J3.1 J3.2 J3.3 J3.4 J3.5 M1.1 M2.1 M3.1 M4.1 RL1.2 RL2.2 RL3.2 U2.4 U2.5 U2.7 U2.8 U2.13 U2.14 U2.16 U2.17 U2.18 U2.19 U2.20 U2.21 U2.22 U2.23 U2.26 U2.29 U2.30 U2.31 U2.32 U2.37
copper on no net:
  other v1: 4.2,1.3 87.8,1.3 2.149,2.149 6.251,2.149 85.749,2.149 89.851,2.149 1.3,4.2 7.1,4.2 84.9,4.2 90.7,4.2 2.149,6.251 6.251,6.251 85.749,6.251 89.851,6.251 4.2,7.1 87.8,7.1 4.191,79.895 87.8,79.9 2.14,80.744 6.242,80.744 85.749,80.749 89.851,80.749 1.291,82.795 7.091,82.795 84.9,82.8 90.7,82.8 2.14,84.846 6.242,84.846 85.749,84.851 89.851,84.851 4.191,85.695 87.8,85.7

## Polygon pours and split planes (outlines as drawn)
GND on Bottom Layer "GND_L02_P000" (solid, remove dead copper, pour order 0): 0,86.995 92.075,86.995 92.075,0.127 91.821,-0.127 67.564,-0.127 67.564,55.245 67.437,55.372 16.891,55.372 16.891,0 0,0
GND on Top Layer "GND_L01_P001" (solid, remove dead copper, pour order 1): 0,86.995 92.075,86.995 92.06,86.98 92.06,-0.019 67.71,-0.019 67.691,0 67.691,54.864 16.383,54.864 16.764,54.483 16.764,0 0.127,0 0,0.127

## Keep-outs
Keep-Out Layer:
  lines w0.2: 0,0 92.075,0 92.075,86.995 0,86.995 0,0 ; 85.852,56.007 91.948,56.007 91.948,75.311 85.852,75.311 85.852,56.007

## Other copper
Bottom Layer:
  region net COM3: 42.164,8.509 42.799,9.144 49.784,9.144 54.61,13.97 62.357,13.97 63.119,14.732 63.119,22.225 59.309,26.035 59.309,39.497 58.801,40.005 57.277,40.005 56.642,39.37 56.642,21.1 59.436,18.306 59.436,16.891 58.674,16.129 52.07,16.129 50.546,14.605 50.546,12.827 48.133,10.414 40.386,10.414 38.989,9.017 38.989,5.207 39.624,4.572 41.529,4.572 42.164,5.207
  region net NO3: 34.036,11.811 35.179,12.954 44.069,12.954 45.847,14.732 45.847,20.193 47.625,21.971 50.292,21.971 50.292,22.098 50.927,22.733 50.927,25.654 51.816,26.543 52.959,26.543 53.848,25.654 53.848,19.304 52.324,17.78 49.149,17.78 48.387,17.018 48.387,13.589 46.228,11.43 38.227,11.43 37.084,10.287 37.084,5.207 36.322,4.445 34.671,4.445 34.036,5.08
  region net COM2: 32.004,11.684 34.925,14.605 42.291,14.478 42.672,14.859 42.768,15.066 42.799,15.367 42.799,39.497 42.037,40.259 40.513,40.259 39.878,39.624 39.878,22.352 40.005,22.225 40.005,19.05 37.973,17.018 32.766,17.018 30.48,14.732 30.48,12.192 29.005,10.717 29.005,5.158 29.591,4.572 31.496,4.572 32.004,5.08
  region net NO2: 23.876,13.716 24.765,14.605 24.765,19.177 28.067,22.394 32.789,22.394 33.224,22.429 34.29,23.495 34.29,25.4 35.052,26.162 36.576,26.162 37.211,25.527 37.211,20.697 34.675,18.161 30.099,18.161 28.956,17.018 28.956,12.954 26.797,10.795 26.797,4.953 26.416,4.572 24.384,4.572 23.876,5.08
  region net COM1: 21.844,13.589 22.987,14.732 22.987,20.574 26.423,24.01 26.423,39.871 26.035,40.259 23.876,40.259 23.368,39.751 23.368,25.352 23.407,25.313 20.574,22.48 20.574,15.875 18.669,13.97 18.669,5.334 19.431,4.572 21.463,4.572 21.844,4.953
  region net NO1: 16.764,20.701 20.193,24.13 20.193,25.527 19.685,26.035 18.161,26.035 17.78,25.654 17.78,24.511 14.351,21.082 14.351,17.653 13.462,16.764 5.969,16.764 5.461,16.256 5.461,14.732 5.969,14.224 10.922,14.224 13.589,11.557 13.589,5.588 14.478,4.699 16.383,4.699 16.764,5.08

## Silkscreen, mask and mechanical layers (free items; w line width, h text height)
Top Overlay:
  text "GND" at 54.433,85.471 h0.8
  text "RX0" at 57.227,85.471 h0.8
  text "TX0" at 60.021,85.471 h0.8
  text "5V" at 63.088,85.471 h0.8
  text "3V3" at 65.228,85.471 h0.8
  text "GND" at 29.21,82.754 h0.8 r90
  text "12V" at 10.541,76.103 h0.8 r90
  text "Design by  / H.M.Dang" at 89.916,35.313 h1.6 r90
  text "NO1" at 13.83,9.017 h1.1
  text "COM1" at 18.614,9.017 h1.1
  text "NO2" at 24.188,9.017 h1.1
  text "COM2" at 28.591,9.017 h1.1
  text "N03" at 33.967,9.017 h1.1
  text "COM3" at 38.37,9.017 h1.1
  text "GND" at 44.381,9.017 h1.1
  text "5V" at 50.138,9.017 h1.1
  text "SDA" at 54.795,9.017 h1.1
  text "SCL" at 59.875,9.017 h1.1
  text "GROUND" at 63.94,9.017 h1.1
  text "B-" at 71.474,9.017 h1.1
  text "A+" at 76.554,9.017 h1.1

## Text inside footprints (layer, text, board x,y; h text height)
LS1: Top Overlay "+" at 43.86,57.494 h1.3; Top Overlay "-" at 51.51,57.644 h1.3
RL1: Mechanical 2 "COM" at 42.729,39.9 h0.8 r270; Mechanical 2 "COIL" at 45.479,38.2 h0.8 r270; Mechanical 2 "COIL" at 36.729,38.2 h0.8 r270; Mechanical 2 "2" at 47.129,24.95 h0.8 r270; Mechanical 2 "3" at 35.129,24.95 h0.8 r270; Mechanical 2 "NC" at 47.179,27.3 h0.8 r270; Mechanical 2 "NO" at 35.029,27.3 h0.8 r270; Mechanical 2 "5" at 47.129,37.1 h0.8 r270; Mechanical 2 "4" at 35.129,37.15 h0.8 r270; Mechanical 2 "1" at 41.129,38.95 h0.8 r270
RL2: Mechanical 2 "COM" at 59.239,39.9 h0.8 r270; Mechanical 2 "COIL" at 61.989,38.2 h0.8 r270; Mechanical 2 "COIL" at 53.239,38.2 h0.8 r270; Mechanical 2 "2" at 63.639,24.95 h0.8 r270; Mechanical 2 "3" at 51.639,24.95 h0.8 r270; Mechanical 2 "NC" at 63.689,27.3 h0.8 r270; Mechanical 2 "NO" at 51.539,27.3 h0.8 r270; Mechanical 2 "5" at 63.639,37.1 h0.8 r270; Mechanical 2 "4" at 51.639,37.15 h0.8 r270; Mechanical 2 "1" at 57.639,38.95 h0.8 r270
RL3: Mechanical 2 "1" at 24.619,38.95 h0.8 r270; Mechanical 2 "4" at 18.619,37.15 h0.8 r270; Mechanical 2 "5" at 30.619,37.1 h0.8 r270; Mechanical 2 "NO" at 18.519,27.3 h0.8 r270; Mechanical 2 "NC" at 30.669,27.3 h0.8 r270; Mechanical 2 "3" at 18.619,24.95 h0.8 r270; Mechanical 2 "2" at 30.619,24.95 h0.8 r270; Mechanical 2 "COIL" at 20.219,38.2 h0.8 r270; Mechanical 2 "COIL" at 28.969,38.2 h0.8 r270; Mechanical 2 "COM" at 26.219,39.9 h0.8 r270
U2: Mechanical 2 "1" at 82.761,73.606 h0.8; Mechanical 2 "14" at 65.861,73.606 h0.8; Mechanical 2 "15" at 65.261,72.006 h0.8 r270; Mechanical 2 "24" at 65.261,60.606 h0.8 r270; Mechanical 2 "25" at 65.661,56.906 h0.8; Mechanical 2 "38" at 82.261,56.906 h0.8